# Altium PCB UCL-MB-802154RT-1.PcbDoc (part 1 of 3) (continued)
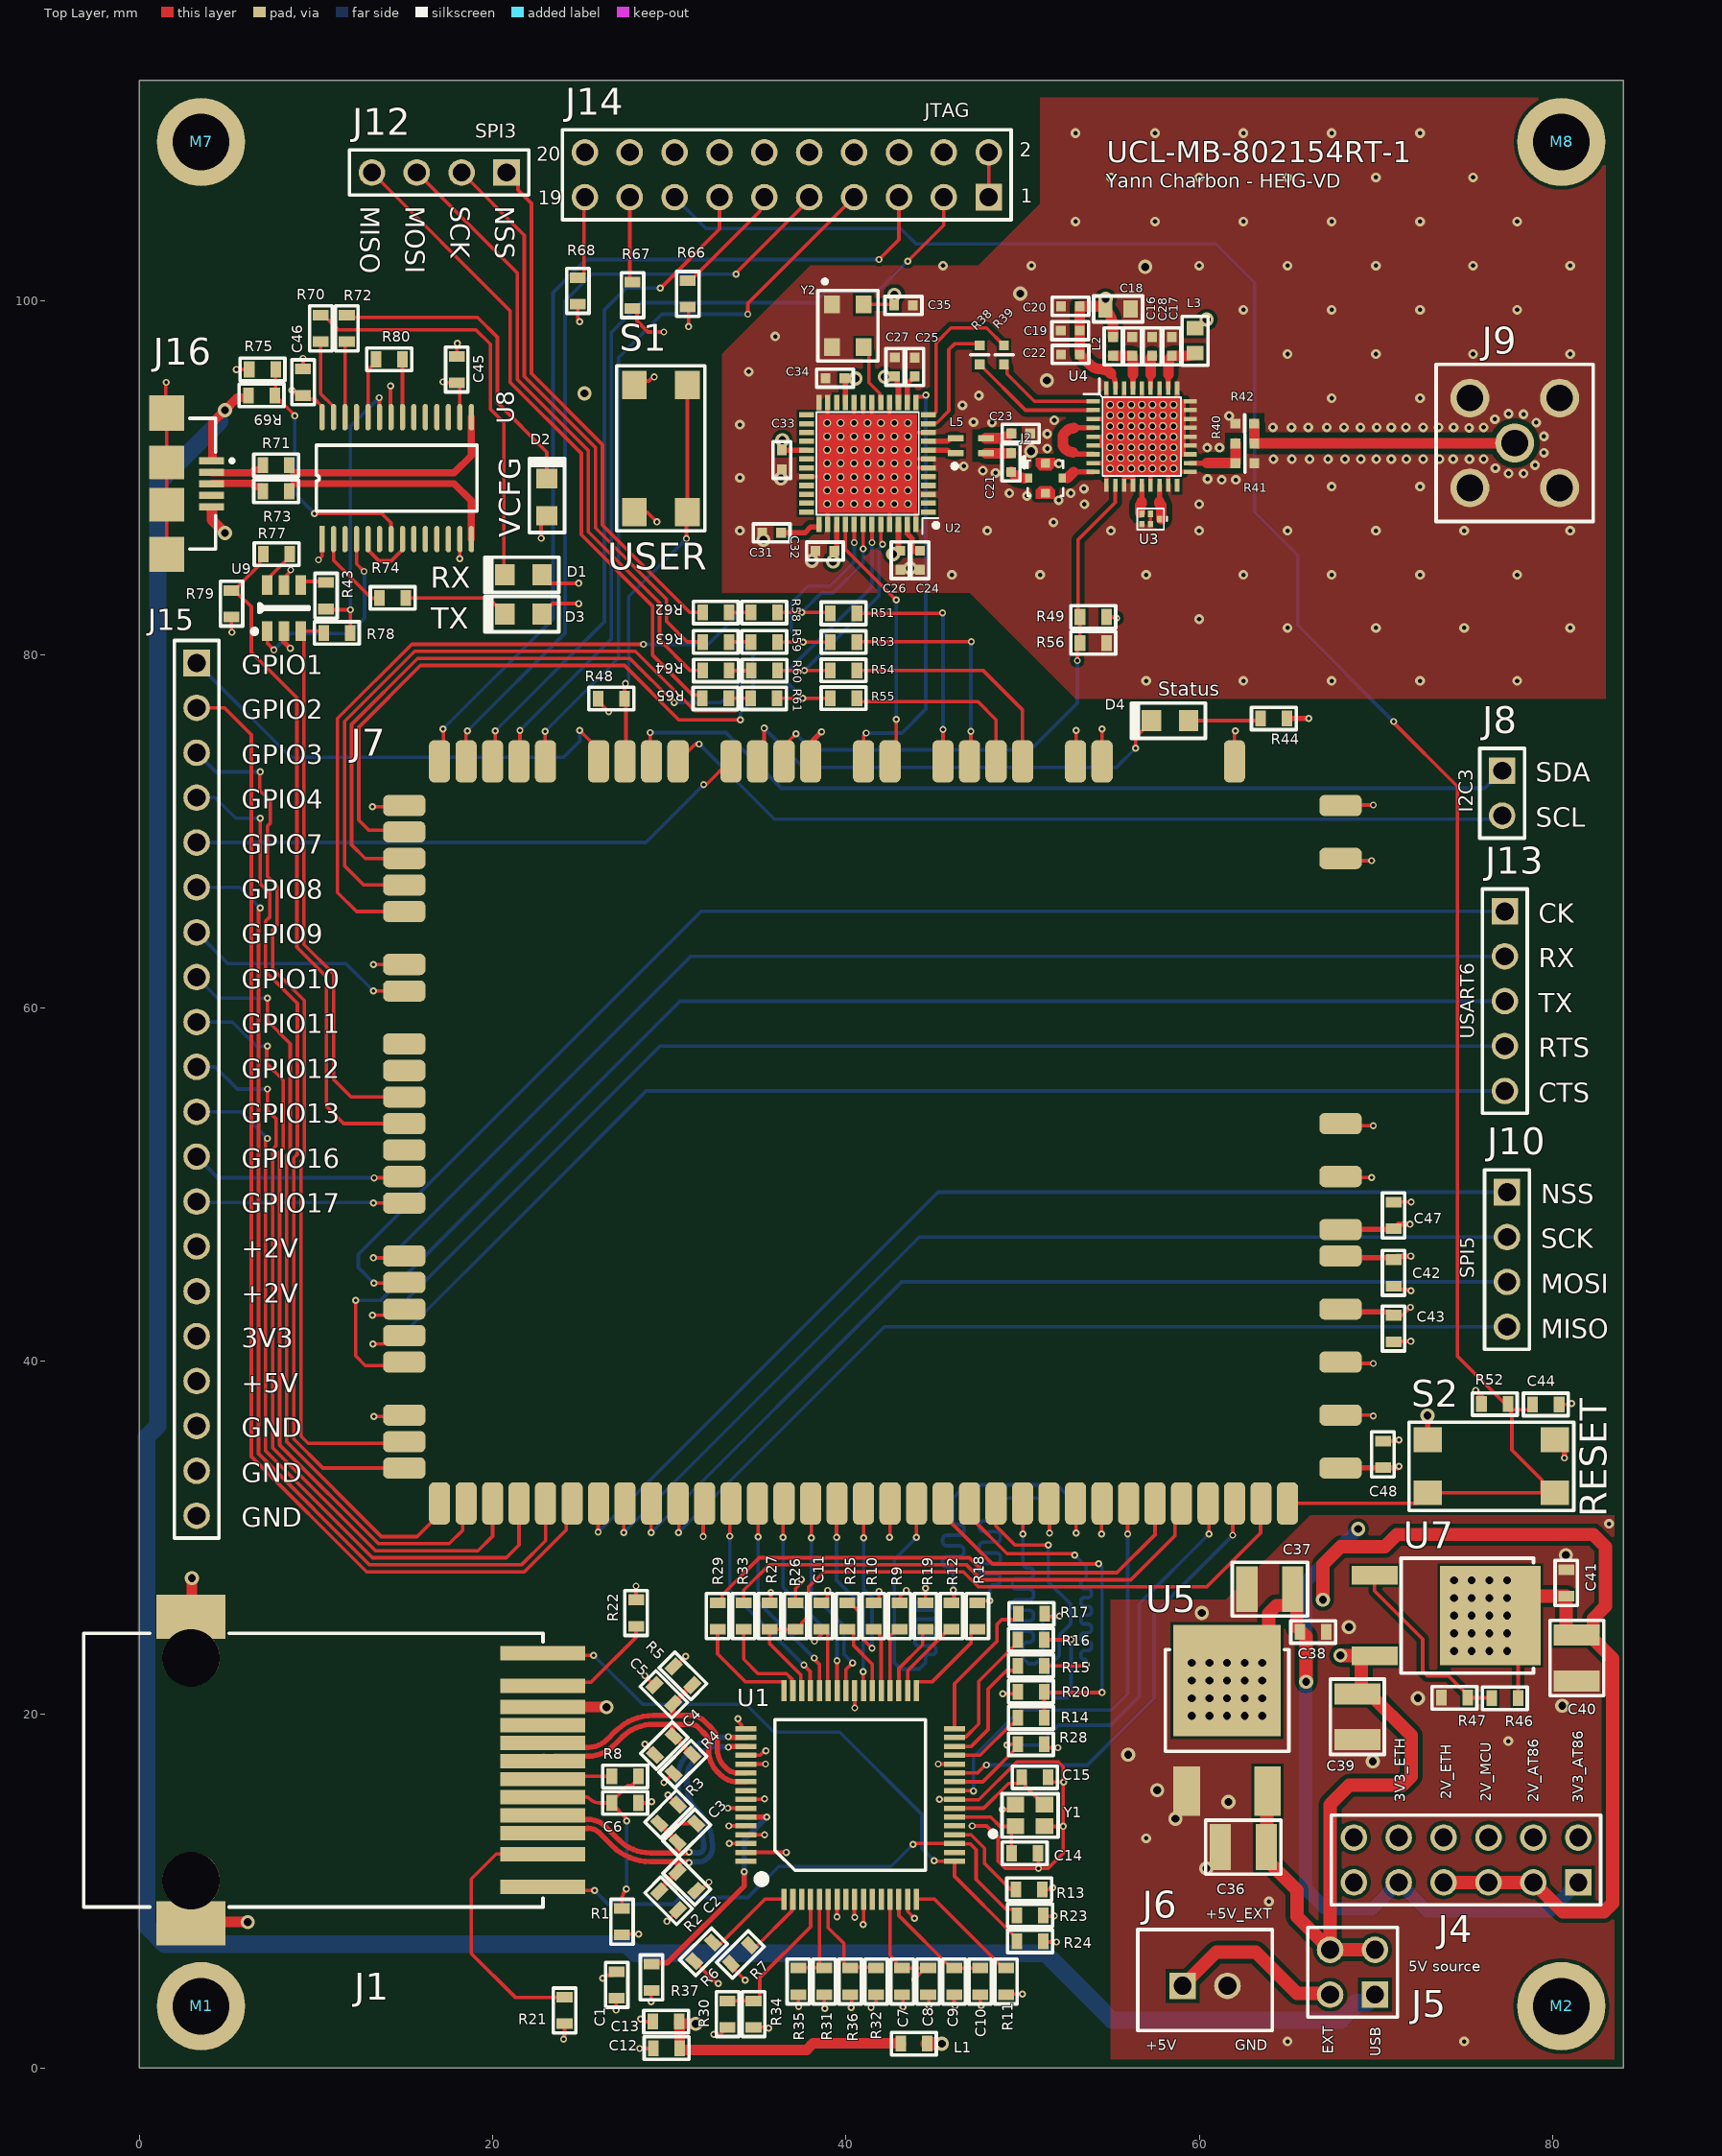
[diagram p0: Top Layer view]
## Design rules (kind name [scope] priority, off if disabled: settings)
Clearance Clearance_RF50 [InNet('RF50_0') Or InNet('RF50_1') Or InNet('RF50_2') Or InNet('RF50_3') Or InNet('RF50_4') Or InNet('RF50_5') Or InNet('RF50_6') Or InNet('RF50_7') Or InNet('RF50_8') Or InNet('RF50_9') vs Not HasFootprint('MM8930-2620RJ4') And NoT HasFootprint('B39871B4377P810')] p1: gap=0.3 ignorepadtopadclearanceinfootprint=TRUE except(0.1: Arc-SMDPad Arc-THPad Arc-Text Track-SMDPad Track-THPad Track-Text SMDPad-SMDPad SMDPad-THPad SMDPad-Fill SMDPad-Text THPad-THPad THPad-Fill THPad-Text Via-Text Fill-Fill Fill-Text Poly-Text Region-Text Text-Text; 0.2: Arc-Arc Arc-Track Track-Track)
Clearance Clearance_MM8930-2620RJ4 [HasFootprint('MM8930-2620RJ4')] p2: gap=0.2 ignorepadtopadclearanceinfootprint=TRUE except(0: Arc-Fill Arc-Poly Arc-Region Arc-Hole Track-Fill Track-Poly Track-Region Track-Hole SMDPad-Fill SMDPad-Region SMDPad-Hole THPad-Hole Via-Hole Fill-Fill Fill-Poly Fill-Region Fill-Hole Poly-Poly Poly-Region Poly-Hole Region-Region Region-Hole Text-Hole; 0.15: Arc-SMDPad Track-SMDPad SMDPad-SMDPad; 0.25: SMDPad-Poly)
Clearance Clearance_GND_Poly [InNet('GND')] p3: gap=0.2 ignorepadtopadclearanceinfootprint=TRUE except(0: Arc-Hole Track-Hole SMDPad-Hole THPad-Hole Via-Hole Fill-Hole Poly-Hole Region-Hole Text-Hole; 0.15: Arc-SMDPad Track-SMDPad SMDPad-SMDPad SMDPad-Fill SMDPad-Poly SMDPad-Region; 0.25: Arc-Poly Track-Poly)
Clearance [All] p4: gap=0.2 ignorepadtopadclearanceinfootprint=TRUE except(0: Arc-Hole Track-Hole SMDPad-Hole THPad-Hole Via-Hole Fill-Hole Poly-Hole Region-Hole Text-Hole; 0.15: Arc-SMDPad Track-SMDPad SMDPad-SMDPad SMDPad-Fill SMDPad-Poly SMDPad-Region)
ComponentClearance ComponentClearance_R402 [HasFootprint('SM/R_0402')] p1: gap=-0.254 collisioncheckmode=3 verticalgap=0.254 showdistances=FALSE
ComponentClearance ComponentClearance_L402 [HasFootprint('SM/L_0402')] p2: gap=-0.254 collisioncheckmode=3 verticalgap=0.254 showdistances=FALSE
ComponentClearance ComponentClearance_C402 [HasFootprint('SM/C_0402')] p3: gap=-0.254 collisioncheckmode=3 verticalgap=0.254 showdistances=FALSE
ComponentClearance [All] p4: gap=0 collisioncheckmode=3 verticalgap=0 showdistances=FALSE
DiffPairsRouting "Schematic Differential Pairs Routing_9" [InNet('DB_P')] p1: maxlimit=0.2 minlimit=0.2 mostfreqgap=0.2 toplayer_minwidth=0.4 toplayer_maxwidth=0.4 toplayer_prefwidth=0.4 bottomlayer_minwidth=0.4 bottomlayer_maxwidth=0.4 bottomlayer_prefwidth=0.4 maxuncoupledlength=12.7
DiffPairsRouting "Schematic Differential Pairs Routing_8" [InNet('DB_N')] p2: maxlimit=0.2 minlimit=0.2 mostfreqgap=0.2 toplayer_minwidth=0.4 toplayer_maxwidth=0.4 toplayer_prefwidth=0.4 bottomlayer_minwidth=0.4 bottomlayer_maxwidth=0.4 bottomlayer_prefwidth=0.4 maxuncoupledlength=12.7
DiffPairsRouting "Schematic Differential Pairs Routing_7" [InNet('RX_N')] p3: maxlimit=0.2 minlimit=0.2 mostfreqgap=0.2 toplayer_minwidth=0.3 toplayer_maxwidth=0.3 toplayer_prefwidth=0.3 bottomlayer_minwidth=0.3 bottomlayer_maxwidth=0.3 bottomlayer_prefwidth=0.3 maxuncoupledlength=12.7
DiffPairsRouting "Schematic Differential Pairs Routing_5" [InNet('TX_N')] p4: maxlimit=0.2 minlimit=0.2 mostfreqgap=0.2 toplayer_minwidth=0.3 toplayer_maxwidth=0.3 toplayer_prefwidth=0.3 bottomlayer_minwidth=0.3 bottomlayer_maxwidth=0.3 bottomlayer_prefwidth=0.3 maxuncoupledlength=12.7
DiffPairsRouting "Schematic Differential Pairs Routing_4" [InNet('RX_P')] p5: maxlimit=0.2 minlimit=0.2 mostfreqgap=0.2 toplayer_minwidth=0.3 toplayer_maxwidth=0.3 toplayer_prefwidth=0.3 bottomlayer_minwidth=0.3 bottomlayer_maxwidth=0.3 bottomlayer_prefwidth=0.3 maxuncoupledlength=12.7
DiffPairsRouting "Schematic Differential Pairs Routing_6" [InNet('TX_P')] p6: maxlimit=0.2 minlimit=0.2 mostfreqgap=0.2 toplayer_minwidth=0.3 toplayer_maxwidth=0.3 toplayer_prefwidth=0.3 bottomlayer_minwidth=0.3 bottomlayer_maxwidth=0.3 bottomlayer_prefwidth=0.3 maxuncoupledlength=12.7
DiffPairsRouting "Schematic Differential Pairs Routing_3" [InNet('DA_P')] p7: maxlimit=0.2 minlimit=0.2 mostfreqgap=0.2 toplayer_minwidth=0.4 toplayer_maxwidth=0.4 toplayer_prefwidth=0.4 bottomlayer_minwidth=0.4 bottomlayer_maxwidth=0.4 bottomlayer_prefwidth=0.4 maxuncoupledlength=12.7
DiffPairsRouting "Schematic Differential Pairs Routing_1" [InNet('DA_N')] p8: maxlimit=0.2 minlimit=0.2 mostfreqgap=0.2 toplayer_minwidth=0.4 toplayer_maxwidth=0.4 toplayer_prefwidth=0.4 bottomlayer_minwidth=0.4 bottomlayer_maxwidth=0.4 bottomlayer_prefwidth=0.4 maxuncoupledlength=12.7
DiffPairsRouting [All] p9: maxlimit=0.3 minlimit=0.2 mostfreqgap=0.2 toplayer_minwidth=0.2 toplayer_maxwidth=0.5 toplayer_prefwidth=0.3 bottomlayer_minwidth=0.2 bottomlayer_maxwidth=0.5 bottomlayer_prefwidth=0.3 maxuncoupledlength=12.7
HoleSize [All] p1: absolutevalues=TRUE maxlimit=5 minlimit=0.025 maxpercent=80.000 minpercent=20.000
MatchedLengths "Schematic Matched Net Lengths_6" [InNet('TX_N')] p1: tolerance=2 checknetsindiffpair=TRUE checkdiffpairvsdiffpair=FALSE checkxsignals=FALSE checkothers=FALSE
MatchedLengths "Schematic Matched Net Lengths_5" [InNet('RX_P')] p2: tolerance=2 checknetsindiffpair=TRUE checkdiffpairvsdiffpair=FALSE checkxsignals=FALSE checkothers=FALSE
MatchedLengths "Schematic Matched Net Lengths_4" [InNet('RX_N')] p3: tolerance=2 checknetsindiffpair=TRUE checkdiffpairvsdiffpair=FALSE checkxsignals=FALSE checkothers=FALSE
MatchedLengths MatchedLengths_ETH_TX [InNet('ETH_MII_TXD0') Or InNet('ETH_MII_TXD1') Or InNet('ETH_MII_TXD2') Or InNet('ETH_MII_TXD3') Or InNet('ETH_MII_TX_EN') Or InNet('ETH_MII_TX_CLK')] p4: tolerance=3 checknetsindiffpair=FALSE checkdiffpairvsdiffpair=TRUE checkxsignals=TRUE checkothers=TRUE
MatchedLengths MatchedLengths_ETH_RX [InNet('ETH_MII_RXD0') Or InNet('ETH_MII_RXD1') Or InNet('ETH_MII_RXD2') Or InNet('ETH_MII_RXD3') Or InNet('ETH_MII_RX_DV') Or InNet('ETH_MII_RX_CLK') Or InNet('ETH_MII_ RX_ER')] p5: tolerance=3 checknetsindiffpair=FALSE checkdiffpairvsdiffpair=TRUE checkxsignals=TRUE checkothers=TRUE
MatchedLengths "Schematic Matched Net Lengths_3" [InNet('TX_P')] p6: tolerance=2 checknetsindiffpair=TRUE checkdiffpairvsdiffpair=FALSE checkxsignals=FALSE checkothers=FALSE
MaxMinImpedance "Schematic Impedance Constraint_7" [InNet('RF50_6')] p1: minimum=48,00 maximum=52,00
MaxMinImpedance "Schematic Impedance Constraint_6" [InNet('RF50_5')] p2: minimum=48,00 maximum=52,00
MaxMinImpedance "Schematic Impedance Constraint_5" [InNet('RF50_7')] p3: minimum=48,00 maximum=52,00
MaxMinImpedance "Schematic Impedance Constraint_4" [InNet('RF50_4')] p4: minimum=48,00 maximum=52,00
MaxMinImpedance "Schematic Impedance Constraint_3" [InNet('RF50_2')] p5: minimum=48,00 maximum=52,00
MinimumSolderMaskSliver [All] p1: minsoldermaskwidth=0
PlaneClearance [All] p1: clearance=0.508
PlaneConnect [All] p1: planeconnectstyle=Direct reliefexpansion=0.508 reliefentries=4 reliefconductorwidth=0.254 reliefairgap=0.254
PolygonConnect [All] p1: connectstyle=Direct reliefconductorwidth=0.254 reliefentries=4 polygonreliefangle="90 Angle" airgapwidth=0.254
RoomDefinition SKY66122-11 [HasFootprint('SKY66122-11')] p1: confinementstyle=ConfineIn formatcopy=TRUE lockcomponents=FALSE outline 53.05,95.825 60.425,95.825 60.425,88.637 53.05,88.637
RoutingVias [All] p1: holewidth=0.2 width=0.4 viastyle="Through Hole" minholewidth=0.2 minwidth=0.4 maxholewidth=0.45 maxwidth=0.8
SilkToSilkClearance [All] p1: silktosilkclearance=0
SilkToSolderMaskClearance [IsPad] p1: minsilkscreentomaskgap=0 clearancetoexposedcopper=TRUE
SolderMaskExpansion [All] p1: expansion=0.102
Width Width_RF50 [(InNet('RF50_0') Or InNet('RF50_1') Or InNet('RF50_2') Or InNet('RF50_3') Or InNet('RF50_4') Or InNet('RF50_5') Or InNet('RF50_6') Or InNet('RF50_7') Or InNet('RF50_8') Or InNet('RF50_9') ) And Not TouchesRoom('SKY66122-11')] p1: maxlimit=0.6 minlimit=0.6 preferedwidth=0.6
Width Width_Power [InNet('+2V') Or InNet('+2V_AT86') Or InNet('+2V_ETH') Or InNet('+2V_MCU') Or InNet('+5V') Or InNet('+5V_EXT') Or InNet('+5V_USB') Or InNet('3V3') Or InNet('3V3_AT86') Or InNet('3V3_ETH')] p2: maxlimit=1 minlimit=0.2 preferedwidth=0.75
Width Width_Murata_connector [TouchesRoom('Murata_RF_connector')] p3: maxlimit=0.45 minlimit=0.3 preferedwidth=0.45
Width Width_SKY66122-11 [TouchesRoom('SKY66122-11')] p4: maxlimit=0.3 minlimit=0.2 preferedwidth=0.3 minimp=50.000000 maximp=50.000000 favimp=50.000000
Width [All] p5: maxlimit=0.6 minlimit=0.2 preferedwidth=0.6
22 further rules are at their usual default settings.

## Classes and differential pairs
component class U_USB: C45 C46 D1 D2 D3 J16 R43 R69 R70 R71 R72 R73 R74 R75 R77 R78 R79 R80 U8 U9
component class U_Power: C36 C37 C38 C39 C40 C41 J4 J5 J6 R46 R47 U5 U7
component class U_IEEE-802: C16 C17 C18 C19 C20 C21 C22 C23 C24 C25 C26 C27 C28 C31 C32 C33 C34 C35 J2 L2 L3 L5 R38 R39 R40 R41 R42 U2 U3 U4 Y2
component class Top: C42 C43 C44 C47 C48 D4 J7 J8 J9 J10 J12 J13 J14 J15 M1 M2 M3 M4 M5 M6 M7 M8 R44 R48 R49 R51 R52 R53 R54 R55 R56 R58 R59 R60 R61 R62 R63 R64 R65 R66 R67 R68 S1 S2
component class U_Ethernet: C1 C2 C3 C4 C5 C6 C7 C8 C9 C10 C11 C12 C13 C14 C15 J1 L1 R1 R2 R3 R4 R5 R6 R7 R8 R9 R10 R11 R12 R13 R14 R15 R16 R17 R18 R19 R20 R21 R22 R23 R24 R25 R26 R27 R28 R29 R30 R31 R32 R33 R34 R35 R36 R37 U1 Y1
differential pair DB: +DB_P -DB_N
differential pair DA: +DA_P -DA_N
differential pair TX: +TX_P -TX_N
differential pair RX: +RX_P -RX_N
differential pair RF: +RF_P -RF_N

## Components (designator, comment, footprint, x,y, rotation, side; value= is the part's Value field where it differs from the comment)
C1 "C-100nF-0603" Capacitor-0603 27.025,4.7 r90 top value=100nF
C2 "C-10pF-0603" Capacitor-0603 30.993,10.568 r135 top value=10pF
C3 "C-10pF-0603" Capacitor-0603 30.993,13.308 r225 top value=10pF
C4 "C-10pF-0603" Capacitor-0603 29.725,18.243 r45 top value=10pF
C5 "C-10pF-0603" Capacitor-0603 29.695,21.137 r315 top value=10pF
C6 "C-22nF-0603" Capacitor-0603 27.5,15 r180 top value=22nF
C7 "C-100nF-0603" Capacitor-0603 43.186,4.9 r90 top value=100nF
C8 "C-4.7uF-0603" Capacitor-0603 44.656,4.9 r90 top value=4.7uF
C9 "C-100nF-0603" Capacitor-0603 46.126,4.9 r90 top value=100nF
C10 "C-4.7uF-0603" Capacitor-0603 47.597,4.9 r90 top value=4.7uF
C11 "C-100nF-0603" Capacitor-0603 38.623,25.575 r270 top value=100nF
C12 "C-100nF-0603" Capacitor-0603 29.85,1.125 r0 top value=100nF
C13 "C-4.7uF-0603" Capacitor-0603 29.825,2.625 r0 top value=4.7uF
C14 "C-16pF-0603" Capacitor-0603 50.125,12.15 r180 top value=16pF
C15 "C-16pF-0603" Capacitor-0603 50.7,16.45 r180 top value=16pF
C16 "C-1nF-0402" SM/C_0402 56.217,97.433 r90 top value=1.5nF
C17 "C-1pF-0402" SM/C_0402 58.451,97.433 r90 top value=1pF
C18 "C-4.7uF-0603" SM/C_0603 55.4,99.55 r180 top value=4.7uF
C19 "C-1nF-0402" SM/C_0402 52.7,98.325 r0 top value=1nF
C20 "C-33pF-0402" SM/C_0402 52.708,99.7 r0 top value=33pF
C21 "C-15pF-0402" SM/C_0402 49.349,90.858 r270 top value=15pF
C22 "C-68pF-0402" SM/C_0402 52.708,96.975 r0 top value=68pF
C23 "C-8.2pF-0402" SM/C_0402 49.899,92.509 r180 top value=8.2pF
C24 "C-100nF-0402" SM/C_0402 44.195,85.328 r90 top value=100nF
C25 "C-100nF-0402" SM/C_0402 43.891,96.267 r270 top value=100nF
C26 "C-100nF-0402" SM/C_0402 43.078,85.328 r90 top value=100nF
C27 "C-100nF-0402" SM/C_0402 42.774,96.275 r270 top value=100nF
C28 "C-22pF-0402" SM/C_0402 57.334,97.433 r90 top value=22pF
C31 "C-100nF-0402" SM/C_0402 35.796,86.883 r0 top value=100nF
C32 "C-100nF-0402" SM/C_0402 38.808,85.85 r0 top value=100nF
C33 "C-100nF-0402" SM/C_0402 36.374,91.009 r90 top value=100nF
C34 "C-100nF-0402" SM/C_0402 39.382,95.634 r0 top value=100nF
C35 "C-100nF-0402" SM/C_0402 43.258,99.75 r0 top value=100nF
C36 "C-10uF-1210" Capacitor-1210 62.5,12.5 r0 top value=10uF
C37 "C-22uF-1210" Capacitor-1210 64,27.1 r0 top value=22uF
C38 "C-100nF-0603" Capacitor-0603 66.45,24.675 r180 top value=100nF
C39 "C-10uF-1210" Capacitor-1210 68.95,19.875 r90 top value=10uF
C40 "C-22uF-1210" Capacitor-1210 81.375,23.2 r90 top value=22uF
C41 "C-100nF-0603" Capacitor-0603 80.775,27.45 r270 top value=100nF
C42 "C-100nF-0603" Capacitor-0603 71,45 r90 top value=100nF
C43 "C-100nF-0603" Capacitor-0603 71,41.85 r90 top value=100nF
C44 "C-100nF-0603" Capacitor-0603 79.625,37.55 r180 top value=100nF
C45 "C-100nF-0603" Capacitor-0603 17.975,96.125 r90 top value=100nF
C46 "C-100nF-0603" Capacitor-0603 9.275,95.4 r90 top value=100nF
C47 "C-100nF-0603" Capacitor-0603 71,48.25 r270 top value=100nF
C48 "C-100nF-0603" Capacitor-0603 70.4,34.725 r270 top value=100nF
D1 "150080YS75000" 150080YS75000 21.75,84.5 r180 top
D2 "150080YS75000" 150080YS75000 23.075,88.9 r90 top
D3 "150080YS75000" 150080YS75000 21.75,82.275 r180 top
D4 "150080YS75000" 150080YS75000 58.35,76.25 r180 top
J1 "ARJE-0034" ARJE-0034 22.85,16.855 r0 top
J2 "MM8930-2620RJ4" MM8030-2610RJ3 51.3,89.975 r90 top
J4 "Header_2x6" Header_2x6 81.455,10.5 r180 top
J5 "Header_2x2" Header_2x2 69.95,4.15 r180 top
J6 "Header_1x2" Header_1x2 59.06,4.65 r0 top
J7 "UCL-CPUM-H7-1" UCL-CPUM-H7-1 68,31.95 r90 top
J8 "I2C_Header" I2C_header 77.15,73.415 r270 top
J9 "733910080" SMA_733910080 77.86,91.965 r90 top
J10 "SPI_Header" SPI_Header 77.425,49.565 r270 top
J12 "SPI_Header" SPI_Header 20.79,107.275 r180 top
J13 "UART_Header" UART_Header 77.3,65.455 r270 top
J14 "Header_2x10" JTAG_Header 48.085,105.875 r180 top
J15 "Header 1x20" GPIO_Header 3.25,79.515 r270 top
J16 "USB3085-30-A" USB3085-30-A 1.55,89.66 r270 top
L1 "Ferrite Bead 120ohm@100MHz" Inductor-0603 43.85,1.375 r0 top
L2 "L-3.3nH-0402" SM/L_0402 55.125,97.433 r90 top value=3.3nH
L3 "L-6.8nH-0603" "SM/L_0603 (1608)" 59.771,97.761 r90 top value=6.8nH
L5 "DLW21SN900SQ2L" MURA-DLW21SN900SQ2L-4_V 47.074,91.809 r90 top
M1 "M3x5 (97790503111)" Screw_M3 3.5,3.5 r0 top
M2 "M3x5 (97790503111)" Screw_M3 80.5,3.5 r0 top
M7 "M3x5 (97790503111)" Screw_M3 3.5,109 r0 top
M8 "M3x5 (97790503111)" Screw_M3 80.5,109 r0 top
R1 "R-0R-0603" Resistor-0603 27.325,8.275 r90 top value=0R
R2 "R-49R9-0603" Resistor-0603 29.968,9.468 r315 top value=49R9
R3 "R-49R9-0603" Resistor-0603 29.968,14.368 r45 top value=49R9
R4 "R-49R9-0603" Resistor-0603 30.775,17.193 r225 top value=49R9
R5 "R-49R9-0603" Resistor-0603 30.775,22.193 r135 top value=49R9
R6 "R-0R-0603" Resistor-0603 31.945,6.573 r225 top value=0R
R7 "R-10K-0603" Resistor-0603 34.03,6.423 r45 top value=10K
R8 "R-0R-0603" Resistor-0603 27.5,16.5 r0 top value=0R
R9 "R-0R-0603" Resistor-0603 43.034,25.575 r90 top value=0R
R10 "R-0R-0603" Resistor-0603 41.564,25.575 r90 top value=0R
R11 "R-10K-0603" Resistor-0603 49.067,4.9 r270 top value=10K
R12 "R-100R-0603" Resistor-0603 45.974,25.575 r270 top value=100R
R13 "R-10K-0603" Resistor-0603 50.375,10.109 r0 top value=10K
R14 "R-100R-0603" Resistor-0603 50.475,19.82 r180 top value=100R
R15 "R-100R-0603" Resistor-0603 50.475,22.761 r180 top value=100R
R16 "R-100R-0603" Resistor-0603 50.475,24.231 r180 top value=100R
R17 "R-100R-0603" Resistor-0603 50.5,25.701 r180 top value=100R
R18 "R-100R-0603" Resistor-0603 47.445,25.575 r270 top value=100R
R19 "R-100R-0603" Resistor-0603 44.504,25.575 r270 top value=100R
R20 "R-4K7-0603" Resistor-0603 50.475,21.291 r0 top value=4K7
R21 "R-330R-0603" Resistor-0603 24.075,3.25 r90 top value=330R
R22 "R-330R-0603" Resistor-0603 28.125,25.75 r270 top value=330R
R23 "R-10K-0603" Resistor-0603 50.425,8.639 r180 top value=10K
R24 "R-10K-0603" Resistor-0603 50.425,7.169 r180 top value=10K
R25 "R-100R-0603" Resistor-0603 40.093,25.575 r270 top value=100R
R26 "R-10K-0603" Resistor-0603 37.153,25.575 r90 top value=10K
R27 "R-4K7-0603" Resistor-0603 35.683,25.575 r270 top value=4K7
R28 "R-1K5-0603" Resistor-0603 50.475,18.32 r180 top value=1K5
R29 "R-100R-0603" Resistor-0603 32.742,25.575 r270 top value=100R
R30 "R-0R-0603" Resistor-0603 33.305,3.05 r270 top value=0R
R31 "R-0R-0603" Resistor-0603 38.775,4.9 r270 top value=0R
R32 "R-0R-0603" Resistor-0603 41.716,4.9 r270 top value=0R
R33 "R-100R-0603" Resistor-0603 34.212,25.575 r270 top value=100R
R34 "R-0R-0603" Resistor-0603 34.775,3.05 r90 top value=0R
R35 "R-0R-0603" Resistor-0603 37.305,4.9 r90 top value=0R
R36 "R-0R-0603" Resistor-0603 40.245,4.9 r90 top value=0R
R37 "R-12K4-1%-0603" Resistor-0603 29,5.125 r90 top value="12K4 1%"
R38 "R-0-0402" SM/R_0402 47.575,96.95 r270 top value=0
R39 "R-0-0402" SM/R_0402 48.95,96.95 r270 top value=0
R40 "R-0-0402" SM/R_0402 62.583,91.942 r0 top value=0
R41 "R-0-0402" SM/R_0402 62.583,90.825 r180 top value=0
R42 "R-0-0402" SM/R_0402 62.575,93.059 r0 top value=0
R43 "R-0R-0603" Resistor-0603 10.575,83.318 r90 top value=0R
R44 "R-330R-0603" Resistor-0603 64.225,76.375 r0 top value=330R
R46 "R-2K55-0603" Resistor-0603 77.3,20.925 r0 top value="2K55 0.5%"
R47 "R-1K5-0603" Resistor-0603 74.45,20.95 r0 top value=1K5
R48 "R-10K-0603" Resistor-0603 26.725,77.5 r180 top value=10K
R49 "R-0R-0603" Resistor-0603 54,82.12 r0 top value=0R
R51 "R-0R-0603" Resistor-0603 39.875,82.325 r180 top value=0R
R52 "R-10K-0603" Resistor-0603 76.725,37.575 r180 top value=10K
R53 "R-0R-0603" Resistor-0603 39.875,80.7 r180 top value=0R
R54 "R-0R-0603" Resistor-0603 39.875,79.1 r180 top value=0R
R55 "R-0R-0603" Resistor-0603 39.875,77.525 r180 top value=0R
R56 "R-0R-0603" Resistor-0603 54,80.65 r180 top value=0R
R58 "R-0R-0603" Resistor-0603 35.375,82.375 r0 top value=0R
R59 "R-0R-0603" Resistor-0603 35.375,80.705 r0 top value=0R
R60 "R-0R-0603" Resistor-0603 35.39,79.084 r0 top value=0R
R61 "R-0R-0603" Resistor-0603 35.365,77.514 r0 top value=0R
R62 "R-0R-0603" Resistor-0603 32.635,82.375 r180 top value=0R
R63 "R-0R-0603" Resistor-0603 32.635,80.705 r180 top value=0R
R64 "R-0R-0603" Resistor-0603 32.65,79.084 r180 top value=0R
R65 "R-0R-0603" Resistor-0603 32.625,77.514 r180 top value=0R
R66 "R-10K-0603" Resistor-0603 31.05,100.4 r90 top value=10K
R67 "R-10K-0603" Resistor-0603 27.925,100.33 r90 top value=10K
R68 "R-10K-0603" Resistor-0603 24.825,100.575 r90 top value=10K
R69 "R-10K-0603" Resistor-0603 6.925,94.66 r0 top value=10K
R70 "R-330R-0603" Resistor-0603 10.28,98.45 r90 top value=330R
R71 "R-24R-0603" Resistor-0603 7.75,90.705 r0 top value=24R
R72 "R-330R-0603" Resistor-0603 11.75,98.45 r90 top value=330R
R73 "R-24R-0603" Resistor-0603 7.75,89.235 r0 top value=24R
R74 "R-330R-0603" Resistor-0603 14.35,83.2 r0 top value=330R
R75 "R-20K-0603" Resistor-0603 6.975,96.13 r0 top value=20K
R77 "R-10K-0603" Resistor-0603 7.775,85.675 r180 top value=10K
R78 "R-0R-0603" Resistor-0603 11.188,81.213 r180 top value=0R
R79 "R-20K-0603" Resistor-0603 5.225,82.875 r90 top value=20K
R80 "R-0R-0603" Resistor-0603 14.15,96.7 r180 top value=0R
S1 "TL3305AF260QG" TL3305AF260QG 28.025,95.25 r270 top
S2 "TL3305AF260QG" TL3305AF260QG 80.125,35.55 r180 top
U1 "LAN8187-JT" LAN8187-JT 36.5,10.05 r90 top
U2 "AT86RF215M" QFN50P700X700X90-49N-D 41.224,90.809 r180 top
U3 "B39871B4377P810" B39871B4377P810 57.75,87.662 r180 top
U4 "SKY66122-11" SKY66122-11 56.75,92.325 r0 top
U5 "LD1086DT33TR" LD1086DT33TR 61.575,21.925 r0 top
U7 "AZ2185D-ADJTRG1" AZ2185D-ADJTRG1 69.925,25.6 r270 top
U8 "CY7C64225-28PVXC" CY7C64225-28PVXC 10.35,86.525 r90 top
U9 "SN74LVC2G17DBVR" SN74LVC2G17DBVR 7.25,81.325 r90 top
Y1 "25MHz ±10ppm Cristal" 830107871909 49.6,14.9 r0 top
Y2 "7Z-26.000MBG-T" TCXO 40.111,98.602 r270 top

## Footprints (in the part's own frame and the unit in brackets; to place one, negate y for a bottom-side part, rotate by r counter-clockwise, add the part's x,y. Pads: shape width x height; smd on the part's side, far side on the other; paste and mask are expansions set on the pad)
150080YS75000 [mm]
  rect 1.1x1.2 smd: 1(1.05,0) 2(-1.05,0)
  silkscreen extent -2,-1 2.2,1
830107871909 [mm]
  rect 1x0.9 smd: 1(0,-1.225) 2(1.65,-1.225) 3(1.65,0) 4(0,0)
  silkscreen extent -1.32,-1.84 2.41,0.61
ARJE-0034 [mm]
  rect 3.9x2.5 smd: 0(-19.92,-8.67) 0(-19.92,8.67)
  round 3.25 / inner round 0.5 / far side round 3.25 hole 3.25: 0(-19.92,-6.25) 0(-19.92,6.35)
  rect 4.8x0.81 smd: 1(0,-6.61) 2(0,-4.77) 3(0,-3.57) 4(0,-2.55) 5(0,-1.53) 6(0,-0.51) 7(0,0.51) 8(0,1.53) 9(0,2.55) 10(0,3.57) 11(0,4.77) 12(0,6.61)
  silkscreen extent -26,-7.75 0,7.75, body extent -25.28,-10.4 2,10.25, height 16.75
AZ2185D-ADJTRG1 [mm]
  rect 1.06x2.6 smd: 1(-2.286,0) 3(2.286,0)
  round 0.8 hole 0.45: 2(-2,7.5) 2(-2,5.5) 2(-2,6.5) 2(-2,4.5) 2(-1,7.5) 2(-1,6.5) 2(-1,5.5) 2(-1,4.5) 2(0,7.5) 2(0,6.5) 2(0,5.5) 2(0,4.5) 2(1,7.5) 2(1,6.5) 2(1,5.5) 2(1,4.5) 2(2,7.5) 2(2,5.5) 2(2,6.5) 2(2,4.5)
  rect 5.632x5.7 smd: 2(0,6.55)
  silkscreen extent -3.25,1.5 3.25,9, body extent -3.27,-0.77 3.27,8.9, height 2.29
B39871B4377P810 [mm]
  rect 0.3x0.375 smd: 1(0,0) 2(0.5,0.287) 3(1,0.288) 4(1,-0.288) 5(0.5,-0.288)
  Top Layer region: 0.4,-0.15 0.6,-0.15 0.6,0.175 0.4,0.175
  silkscreen extent -0.43,-0.6 1.25,0.6, body extent -0.2,-0.55 1.2,0.55, height 0.55
Capacitor-0603 [mm]
  rect 0.6x0.9 smd: 1(-0.75,0) 2(0.75,0)
  silkscreen extent -1.27,-0.64 1.27,0.64, body extent -0.8,-0.4 0.8,0.4, height 0.81
Capacitor-1210 [mm]
  rect 1.2x2.6 smd: 1(-1.3,0) 2(1.3,0)
  silkscreen extent -2.13,-1.52 2.13,1.52, body extent -1.6,-1.25 1.6,1.25, height 1.61
CY7C64225-28PVXC [mm]
  rect 1.5x0.3 smd: 1(0,0)
  oval 1.5x0.3 smd: 2(0,-0.65) 3(0,-1.3) 4(0,-1.95) 5(0,-2.6) 6(0,-3.25) 7(0,-3.9) 8(0,-4.55) 9(0,-5.2) 10(0,-5.85) 11(0,-6.5) 12(0,-7.15) 13(0,-7.8) 14(0,-8.45) 15(6.9,-8.45) 16(6.9,-7.8) 17(6.9,-7.15) 18(6.9,-6.5) 19(6.9,-5.85) 20(6.9,-5.2) 21(6.9,-4.55) 22(6.9,-3.9) 23(6.9,-3.25) 24(6.9,-2.6) 25(6.9,-1.95) 26(6.9,-1.3) 27(6.9,-0.65) 28(6.9,0)
  silkscreen extent 1.58,-8.78 5.32,0.33, body extent -0.42,-9.4 7.33,0.93, height 2.15
GPIO_Header [mm]
  rect 1.5x1.5 / inner round 1.5 / far side rect 1.5x1.5 hole 1.02: 1(0,0)
  round 1.5 hole 1.02: 2(2.54,0) 3(5.08,0) 4(7.62,0) 5(10.16,0) 6(12.7,0) 7(15.24,0) 8(17.78,0) 9(20.32,0) 10(22.86,0) 11(25.4,0) 12(27.94,0) 13(30.48,0) 14(33.02,0) 15(35.56,0) 16(38.1,0) 17(40.64,0) 18(43.18,0) 19(45.72,0) 20(48.26,0)
  silkscreen extent -1.27,-1.27 49.53,1.27, body extent -1.27,-1.3 49.53,1.24, height 9
Header_1x2 [mm]
  rect 1.5x1.5 / inner round 1.5 / far side rect 1.5x1.5 hole 1.02: 1(0,0)
  round 1.5 hole 1.02: 2(2.54,0)
  silkscreen extent -2.54,-2.54 5.08,3.18, body extent -1.27,-2.54 3.81,3.18, height 10.49
Header_2x2 [mm]
  rect 1.5x1.5 / inner round 1.5 / far side rect 1.5x1.5 hole 1.02: 1(0,0)
  round 1.5 hole 1.02: 2(0,-2.54) 3(2.54,0) 4(2.54,-2.54)
  silkscreen extent -1.27,-3.81 3.81,1.27, body extent -1.22,-3.89 3.86,1.19, height 9.5
Header_2x6 [mm]
  rect 1.5x1.5 / inner round 1.5 / far side rect 1.5x1.5 hole 1.02: 1(0,0)
  round 1.5 hole 1.02: 2(0,-2.54) 3(2.54,0) 4(2.54,-2.54) 5(5.08,0) 6(5.08,-2.54) 7(7.62,0) 8(7.62,-2.54) 9(10.16,0) 10(10.16,-2.54) 11(12.7,0) 12(12.7,-2.54)
  silkscreen extent -1.27,-3.81 13.97,1.27, body extent -1.42,-3.91 13.82,1.17, height 9.5
I2C_header [mm]
  rect 1.5x1.5 / inner round 1.5 / far side rect 1.5x1.5 hole 1.02: 1(0,0)
  round 1.5 hole 1.02: 2(2.54,0)
  silkscreen extent -1.27,-1.27 3.81,1.27, body extent -1.33,-1.24 3.75,1.3, height 9
Inductor-0603 [mm]
  rect 0.6x0.9 smd: 1(-0.75,0) 2(0.75,0)
  silkscreen extent -1.27,-0.64 1.27,0.64, body extent -0.8,-0.4 0.8,0.4, height 0.81
JTAG_Header [mm]
  rect 1.5x1.5 / inner round 1.5 / far side rect 1.5x1.5 hole 1.02: 1(0,0)
  round 1.5 hole 1.02: 2(0,-2.54) 3(2.54,0) 4(2.54,-2.54) 5(5.08,0) 6(5.08,-2.54) 7(7.62,0) 8(7.62,-2.54) 9(10.16,0) 10(10.16,-2.54) 11(12.7,0) 12(12.7,-2.54) 13(15.24,0) 14(15.24,-2.54) 15(17.78,0) 16(17.78,-2.54) 17(20.32,0) 18(20.32,-2.54) 19(22.86,0) 20(22.86,-2.54)
  silkscreen extent -1.27,-3.81 24.13,1.27, body extent -1.32,-3.84 24.08,1.24, height 7.98
LAN8187-JT [mm]
  rect 1.2x0.3 smd: 1(-0.5,0) 2(-0.5,-0.5) 3(-0.5,-1) 4(-0.5,-1.5) 5(-0.5,-2) 6(-0.5,-2.5) 7(-0.5,-3) 8(-0.5,-3.5) 9(-0.5,-4) 10(-0.5,-4.5) 11(-0.5,-5) 12(-0.5,-5.5) 13(-0.5,-6) 14(-0.5,-6.5) 15(-0.5,-7) 16(-0.5,-7.5) 33(11.3,-7.5) 34(11.3,-7) 35(11.3,-6.5) 36(11.3,-6) 37(11.3,-5.5) 38(11.3,-5) 39(11.3,-4.5) 40(11.3,-4) 41(11.3,-3.5) 42(11.3,-3) 43(11.3,-2.5) 44(11.3,-2) 45(11.3,-1.5) 46(11.3,-1) 47(11.3,-0.5) 48(11.3,0)
  rect 0.3x1.2 smd: 17(1.65,-9.65) 18(2.15,-9.65) 19(2.65,-9.65) 20(3.15,-9.65) 21(3.65,-9.65) 22(4.15,-9.65) 23(4.65,-9.65) 24(5.15,-9.65) 25(5.65,-9.65) 26(6.15,-9.65) 27(6.65,-9.65) 28(7.15,-9.65) 29(7.65,-9.65) 30(8.15,-9.65) 31(8.65,-9.65) 32(9.15,-9.65) 49(9.15,2.15) 50(8.65,2.15) 51(8.15,2.15) 52(7.65,2.15) 53(7.15,2.15) 54(6.65,2.15) 55(6.15,2.15) 56(5.65,2.15) 57(5.15,2.15) 58(4.65,2.15) 59(4.15,2.15) 60(3.65,2.15) 61(3.15,2.15) 62(2.65,2.15) 63(2.15,2.15) 64(1.65,2.15)
  silkscreen extent 0.44,-8.01 9.66,1.47, body extent -0.62,-9.69 11.38,2.31, height 1.27
LD1086DT33TR [mm]
  rect 1.5x2.8 smd: 1(-2.286,-6.25) 3(2.286,-6.25)
  round 0.8 hole 0.45: 2(-2,-2) 2(-2,-1) 2(-2,0) 2(-2,1) 2(-1,-2) 2(-1,-1) 2(-1,0) 2(-1,1) 2(0,-2) 2(0,-1) 2(0,0) 2(0,1) 2(1,-2) 2(1,-1) 2(1,0) 2(1,1) 2(2,-2) 2(2,-1) 2(2,0) 2(2,1)
  rect 6.1x6.3 smd: 2(0,0)
  silkscreen extent -3.5,-4 3.5,1.75, body extent -3.27,-7.09 3.27,2.57, height 2.29
MM8030-2610RJ3 [mm]
  rect 0.5x0.4 smd paste-1 mask+0: 1(0,0.95) 2(0,-0.95)
  rect 0.5x0.5 smd paste-1 mask+0: 3(-0.85,0) 4(0.85,0)
  Top Layer region: 1.15,-0.55 0.68,-0.55 0.45,-0.32 0.45,0.32 0.68,0.55 1.15,0.55
  Top Layer region: -0.45,0.32 -0.45,-0.32 -0.68,-0.55 -1.15,-0.55 -1.15,0.55 -0.68,0.55
  silkscreen extent -1,-1 1.2,1.4, body extent -1,-1.05 1,1.05, height 0.9
MURA-DLW21SN900SQ2L-4_V [mm] "SMD, 4-Leads, Body 2.2x1.4mm"
  rect 0.35x0.9 smd: 1(-0.425,0.85) 2(-0.425,-0.85) 3(0.425,-0.85) 4(0.425,0.85)
  silkscreen extent -1.27,0.79 -1.03,1.04, body extent -0.7,-1.1 0.7,1.1, height 1.4
QFN50P700X700X90-49N-D [mm]
  rect 0.85x0.3 smd: 1(-3.45,2.75) 2(-3.45,2.25) 3(-3.45,1.75) 4(-3.45,1.25) 5(-3.45,0.75) 6(-3.45,0.25) 7(-3.45,-0.25) 8(-3.45,-0.75) 9(-3.45,-1.25) 10(-3.45,-1.75) 11(-3.45,-2.25) 12(-3.45,-2.75) 25(3.45,-2.75) 26(3.45,-2.25) 27(3.45,-1.75) 28(3.45,-1.25) 29(3.45,-0.75) 30(3.45,-0.25) 31(3.45,0.25) 32(3.45,0.75) 33(3.45,1.25) 34(3.45,1.75) 35(3.45,2.25) 36(3.45,2.75)
  rect 0.3x0.85 smd: 13(-2.75,-3.45) 14(-2.25,-3.45) 15(-1.75,-3.45) 16(-1.25,-3.45) 17(-0.75,-3.45) 18(-0.25,-3.45) 19(0.25,-3.45) 20(0.75,-3.45) 21(1.25,-3.45) 22(1.75,-3.45) 23(2.25,-3.45) 24(2.75,-3.45) 37(2.75,3.45) 38(2.25,3.45) 39(1.75,3.45) 40(1.25,3.45) 41(0.75,3.45) 42(0.25,3.45) 43(-0.25,3.45) 44(-0.75,3.45) 45(-1.25,3.45) 46(-1.75,3.45) 47(-2.25,3.45) 48(-2.75,3.45)
  round 0.45 hole 0.3: 49(-2.286,1.524) 49(-2.286,2.286) 49(-2.286,-0.762) 49(-2.286,0) 49(-2.286,0.762) 49(-2.286,-2.286) 49(-2.286,-1.524) 49(-1.524,2.286) 49(-1.524,0.762) 49(-1.524,1.524) 49(-1.524,0) 49(-1.524,-1.524) 49(-1.524,-0.762) 49(-1.524,-2.286) 49(-0.762,2.286) 49(-0.762,1.524) 49(-0.762,0.762) 49(-0.762,0) 49(-0.762,-0.762) 49(-0.762,-1.524) 49(-0.762,-2.286) 49(0,2.286) 49(0,1.524) 49(0,0.762) 49(0,0) 49(0,-0.762) 49(0,-1.524) 49(0,-2.286) 49(0.762,2.286) 49(0.762,1.524) 49(0.762,0.762) 49(0.762,0) 49(0.762,-0.762) 49(0.762,-1.524) 49(0.762,-2.286) 49(1.524,2.286) 49(1.524,0.762) 49(1.524,1.524) 49(1.524,0) 49(1.524,-1.524) 49(1.524,-0.762) 49(1.524,-2.286) 49(2.286,1.524) 49(2.286,2.286) 49(2.286,-0.762) 49(2.286,0) 49(2.286,0.762) 49(2.286,-2.286) 49(2.286,-1.524)
  Top Layer region: -2.794,2.794 2.794,2.794 2.794,-2.794 -2.794,-2.794
  silkscreen extent -4,-2.9 2.9,4, body extent -3.55,-3.55 3.55,3.55, height 0.9
Resistor-0603 [mm]
  rect 0.6x0.9 smd: 1(-0.75,0) 2(0.75,0)
  silkscreen extent -1.27,-0.64 1.27,0.64, body extent -0.8,-0.4 0.8,0.4, height 0.47
Screw_M3 [mm]
  round 5 / inner round 4 / far side round 5 hole 3.2: 0(0,0)
  body extent -2.87,-2.85 2.9,2.75, height 2.47
SKY66122-11 [mm]
  round 0.45 hole 0.3: 0(-1.8,-1.8) 0(-1.8,-1.2) 0(-1.8,-0.6) 0(-1.8,0) 0(-1.8,0.6) 0(-1.8,1.2) 0(-1.8,1.8) 0(-1.2,-1.8) 0(-1.2,-1.2) 0(-1.2,-0.6) 0(-1.2,0) 0(-1.2,0.6) 0(-1.2,1.2) 0(-1.2,1.8) 0(-0.6,-1.8) 0(-0.6,-1.2) 0(-0.6,-0.6) 0(-0.6,0) 0(-0.6,0.6) 0(-0.6,1.2) 0(-0.6,1.8) 0(0,-1.8) 0(0,-1.2) 0(0,-0.6) 0(0,0) 0(0,0.6) 0(0,1.2) 0(0,1.8) 0(0.6,-1.8) 0(0.6,-1.2) 0(0.6,-0.6) 0(0.6,0) 0(0.6,0.6) 0(0.6,1.2) 0(0.6,1.8) 0(1.2,-1.8) 0(1.2,-1.2) 0(1.2,-0.6) 0(1.2,0) 0(1.2,0.6) 0(1.2,1.2) 0(1.2,1.8) 0(1.8,-1.8) 0(1.8,-1.2) 0(1.8,-0.6) 0(1.8,0) 0(1.8,0.6) 0(1.8,1.2) 0(1.8,1.8)
  rect 0.75x0.25 smd mask+0.075: 1(-2.75,2) 2(-2.75,1.5) 3(-2.75,1) 4(-2.75,0.5) 5(-2.75,0) 6(-2.75,-0.5) 7(-2.75,-1) 8(-2.75,-1.5) 9(-2.75,-2) 19(2.75,-2) 20(2.75,-1.5) 21(2.75,-1) 22(2.75,-0.5) 23(2.75,0) 24(2.75,0.5) 25(2.75,1) 26(2.75,1.5) 27(2.75,2)
  rect 0.25x0.75 smd mask+0.075: 10(-2,-2.75) 11(-1.5,-2.75) 12(-1,-2.75) 13(-0.5,-2.75) 14(0,-2.75) 15(0.5,-2.75) 16(1,-2.75) 17(1.5,-2.75) 18(2,-2.75) 28(2,2.75) 29(1.5,2.75) 30(1,2.75) 31(0.5,2.75) 32(0,2.75) 33(-0.5,2.75) 34(-1,2.75) 35(-1.5,2.75) 36(-2,2.75)
  Top Layer region: 1.875,2.1 2.125,2.1 2.125,2.4 1.875,2.4
  Top Layer region: 0.875,2.1 1.125,2.1 1.125,2.4 0.875,2.4
  Top Layer region: -0.125,2.1 0.125,2.1 0.125,2.4 -0.125,2.4
  Top Layer region: -1.125,2.1 -0.875,2.1 -0.875,2.4 -1.125,2.4
  Top Layer region: -2.125,2.1 -1.875,2.1 -1.875,2.4 -2.125,2.4
  Top Layer region: -2.2,-2.2 2.2,-2.2 2.2,2.2 -2.2,2.2
  Top Layer region: 1.9,-1.125 2.5,-1.125 2.5,2.125 1.9,2.125
  Top Layer region: 2.1,-2.125 2.4,-2.125 2.4,-1.875 2.1,-1.875
  Top Layer region: 1.375,-2.4 1.625,-2.4 1.625,-2.1 1.375,-2.1
  Top Layer region: 0.375,-2.4 0.625,-2.4 0.625,-2.1 0.375,-2.1
  Top Layer region: -1.125,-2.4 -0.375,-2.4 -0.375,-2.1 -1.125,-2.1
  Top Layer region: -2.125,-2.4 -1.875,-2.4 -1.875,-2.1 -2.125,-2.1
  Top Layer region: -2.4,-1.625 -2,-1.625 -2,-1.375 -2.4,-1.375
  Top Layer region: -2.4,-0.625 -2.1,-0.625 -2.1,0.125 -2.4,0.125
  Top Layer region: -2.4,0.875 -2.1,0.875 -2.1,1.125 -2.4,1.125
  silkscreen extent -3.26,-2.23 2.23,3.29, body extent -3,-3 3,3, height 1.1
SM/C_0402 [mil]
  rect 22x22 smd: 1(-21,0) 2(21,0)
  silkscreen extent -41,-20 41,20, body extent -20,-10 20,10, height 20
SM/C_0603 [mil]
  rect 32x38 smd: 1(-28,0) 2(28,0)
  silkscreen extent -55,-29 54,29, body extent -31,-16 31,15, height 31
SM/L_0402 [mil]
  rect 22x22 smd: 1(-21,0) 2(21,0)
  silkscreen extent -41,-20 41,20, body extent -20,-10 20,10, height 20
"SM/L_0603 (1608)" [mil]
  rect 32x38 smd: 1(-28,0) 2(28,0)
  silkscreen extent -55,-29 54,29, body extent -31,-16 32,16, height 35
SM/R_0402 [mil]
  rect 22x22 smd: 1(-21,0) 2(21,0)
  silkscreen extent 0,-20 0,20, body extent -19,-10 20,10, height 15
SMA_733910080 [mm]
  round 2.2 hole 1.5: 1(0,0) 2(-2.54,-2.54) 2(-2.54,2.54) 2(2.54,-2.54) 2(2.54,2.54)
  silkscreen extent -4.44,-4.44 4.44,4.44, body extent -3.17,-11.43 3.18,3.37, height 10
SN74LVC2G17DBVR [mm]
  rect 1.1x0.6 smd: 1(0,0) 2(0,-0.95) 3(0,-1.9) 4(2.6,-1.9) 5(2.6,-0.95) 6(2.6,0)
  silkscreen extent -0.04,-2.38 1.54,0.74, body extent -0.1,-2.4 2.7,0.5, height 1.2
SPI_Header [mm]
  rect 1.5x1.5 / inner round 1.5 / far side rect 1.5x1.5 hole 1.02: 1(0,0)
  round 1.5 hole 1.02: 2(2.54,0) 3(5.08,0) 4(7.62,0)
  silkscreen extent -1.27,-1.27 8.89,1.27, body extent -1.24,-1.19 8.92,1.35, height 9
TCXO [mm]
  rect 1x0.9 smd: 1(-1.2,-0.9) 2(1.2,-0.9) 3(1.2,0.9) 4(-1.2,0.9)
  silkscreen extent -2.6,-1.7 2,1.7, body extent -1.65,-1.3 1.65,1.3, height 1.1
TL3305AF260QG [mm]
  rect 1.6x1.4 smd: 1(0,0) 2(7.2,0) 3(0,3) 4(7.2,3)
  silkscreen extent -1.07,-1 8.25,4, body extent -0.17,-0.75 7.33,3.75, height 3.7
UART_Header [mm]
  rect 1.5x1.5 / inner round 1.5 / far side rect 1.5x1.5 hole 1.02: 1(0,0)
  round 1.5 hole 1.02: 2(2.54,0) 3(5.08,0) 4(7.62,0) 5(10.16,0)
  silkscreen extent -1.27,-1.27 11.43,1.27, body extent -1.27,-1.27 11.43,1.27, height 9
UCL-CPUM-H7-1 [mm]
  rrect50% 1.2x2.4 smd mask+0.102: 1(2,53) 2(3.5,53) 3(5,53) 4(8,53) 5(9.5,53) 6(11,53) 7(12.5,53) 8(14,53) 9(17,53) 10(18.5,53) 11(20,53) 12(21.5,53) 13(23,53) 14(24.5,53) 15(26,53) 16(29,53) 17(30.5,53) 18(33.5,53) 19(35,53) 20(36.5,53) 21(38,53) 22(39.5,53) 45(39.5,0) 46(36.5,0) 47(21.5,0) 48(18.5,0) 49(15.5,0) 50(14,0) 51(11,0) 52(8,0) 53(5,0) 54(2,0)
  rrect50% 2.4x1.2 smd mask+0.102: 23(42,51) 24(42,49.5) 25(42,48) 26(42,46.5) 27(42,45) 28(42,42) 29(42,40.5) 30(42,39) 31(42,37.5) 32(42,34.5) 33(42,33) 34(42,31.5) 35(42,30) 36(42,27) 37(42,25.5) 38(42,22.5) 39(42,21) 40(42,19.5) 41(42,18) 42(42,15) 43(42,13.5) 44(42,6) 55(0,3) 56(0,4.5) 57(0,6) 58(0,7.5) 59(0,9) 60(0,10.5) 61(0,12) 62(0,13.5) 63(0,15) 64(0,16.5) 65(0,18) 66(0,19.5) 67(0,21) 68(0,22.5) 69(0,24) 70(0,25.5) 71(0,27) 72(0,28.5) 73(0,30) 74(0,31.5) 75(0,33) 76(0,34.5) 77(0,36) 78(0,37.5) 79(0,39) 80(0,40.5) 81(0,42) 82(0,43.5) 83(0,45) 84(0,46.5) 85(0,48) 86(0,49.5) 87(0,51)
USB3085-30-A [mm]
  rect 2x2 smd: 0(-4,0) 0(4,0)
  rect 1.9x2 smd: 0(-1.2,0) 0(1.2,0)
  rect 0.4x1.4 smd: 1(-1.3,2.55) 2(-0.65,2.55) 3(0,2.55) 4(0.65,2.55) 5(1.3,2.55)
  silkscreen extent -3.7,1.3 3.7,3.8, body extent -4.37,-2.77 4.43,2.77, height 2.59